# Altium PCB TE0890.PcbDoc (part 2 of 2) (continued)
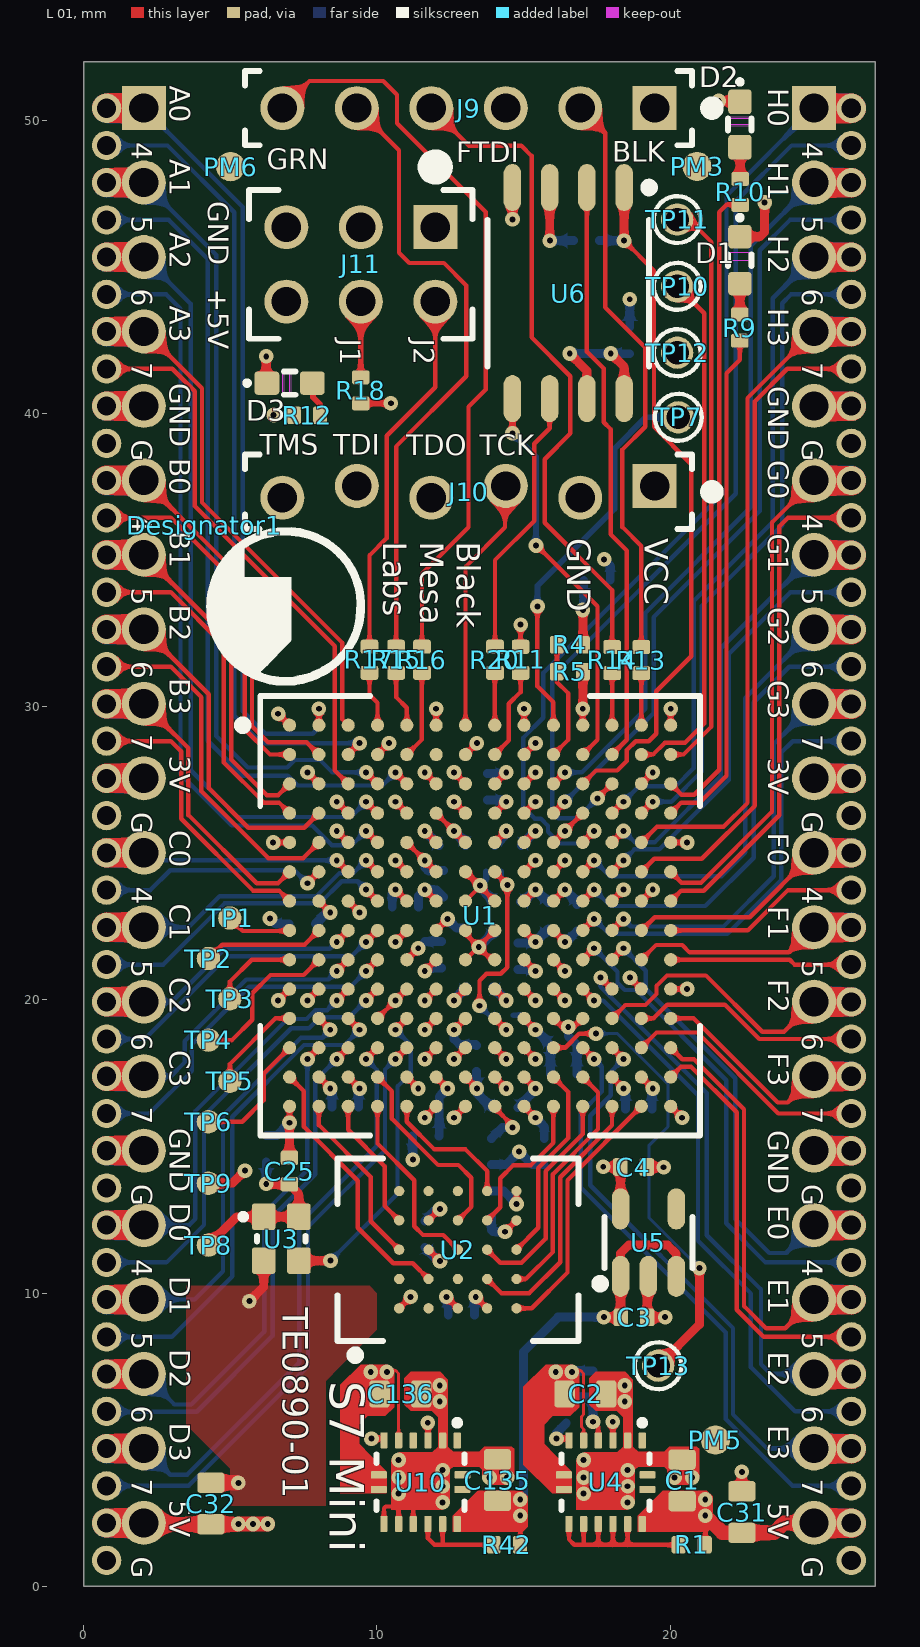
[diagram p0: L 01 view]
## Nets (pads, with @x,y where several pads share a name; then routed paths per layer and width w, separated by ;. In a path a pad name is that pad's centre, name@x,y a point inside that pad or via, vN(x,y) a via of type N, cw(c..) or ccw(c..) an arc to the next point about the centre after c; other vN are vias at no path point) (continued)
  L 06 w0.15: J3.36@0.78,5.965 0.795,5.95 3.85,5.95 6.45,8.55 6.45,12.6 7.9,14.05 7.9,17.25 v1(8.63,17.98)
PORT_D7: J3.38 U1.M5 | length 20.9
  L 01 w0.15: v1@10.6,17.95 v1(10.63,17.98) U1.M5@11.02,18.37
  L 06 w0.15: J3.38@0.78,3.425 3.575,3.425 7.65,7.5 7.65,12.25 10.275,14.875 10.275,17.625 v1(10.63,17.98)
PORT_E0: J2.16 J4.31 U1.J12 | length 17.5
  L 01 w0.15: U1.J12@18.02,21.37 v1(18.41,21.76) v1@18.44,21.79
  L 01 w1: J2.16@24.91,12.31 J4.31@26.18,12.31
  L 06 w0.15: v1(18.41,21.76) 19.173,20.997 19.173,20.377 22.225,17.325 22.225,12.525 23.385,11.365 23.955,11.365 J2.16@24.91,12.32
  L 06 w1: J2.16@24.91,12.32 J4.31@26.18,12.32
PORT_E1: J2.17 J4.33 U1.M14 | length 15.7
  L 01 w0.15: U1.M14@20.02,18.37 20.418,17.972 20.816,17.972 22.519,16.269 22.519,9.556 23.275,8.8 23.93,8.8 J2.17@24.91,9.78
  L 01 w1: J2.17@24.91,9.77 J4.33@26.18,9.77
  L 06 w1: J2.17@24.91,9.78 J4.33@26.18,9.78
PORT_E2: J2.18 J4.35 U1.K12 | length 20.5
  L 01 w0.15: v1@17.6,20.79 v1(17.63,20.76) U1.K12@18.02,20.37
  L 01 w1: J2.18@24.91,7.23 J4.35@26.18,7.23
  L 06 w0.15: v1(17.63,20.76) 17.63,20.445 21.25,16.825 21.25,11.975 23.1,10.125 23.1,7.575 23.435,7.24 J2.18@24.91,7.24
  L 06 w1: J2.18@24.91,7.24 J4.35@26.18,7.24
PORT_E3: J2.19 J4.37 U1.M12 | length 21
  L 01 w0.15: U1.M12@18.02,18.37 v1(18.41,17.98) v1@18.44,17.95
  L 01 w1: J2.19@24.91,4.69 J4.37@26.18,4.69
  L 06 w0.15: v1(18.41,17.98) 17.974,17.544 17.974,16.749 17.274,16.049 17.274,13.678 22.145,8.806 22.145,5.862 23.307,4.7 J2.19@24.91,4.7
  L 06 w1: J2.19@24.91,4.7 J4.37@26.18,4.7
PORT_E4: J4.32 U1.J11 | length 16.9
  L 01 w0.15: U1.J11@17.02,21.37 v1(17.41,21.76) v1@17.44,21.79
  L 06 w0.15: v1(17.41,21.76) 18.206,20.964 18.206,20.584 18.454,20.336 18.839,20.336 21.919,17.256 21.919,12.381 23.255,11.045 J4.32@26.18,11.045
PORT_E5: J4.34 U1.N14 | length 14.1
  L 01 w0.15: U1.N14@20.02,17.37 20.373,17.723 20.713,17.723 22.27,16.166 22.27,9.43 23.195,8.505 J4.34@26.18,8.505
PORT_E6: J4.36 U1.K11 | length 19.5
  L 01 w0.15: U1.K11@17.02,20.37 v1(17.41,19.98) v1@17.44,19.95
  L 06 w0.15: v1(17.41,19.98) 17.72,19.98 20.952,16.748 20.952,11.786 22.756,9.982 22.756,7.472 24.263,5.965 J4.36@26.18,5.965
PORT_E7: J4.38 U1.M11 | length 20.6
  L 01 w0.15: U1.M11@17.02,18.37 v1(17.41,17.98) v1@17.44,17.95
  L 06 w0.15: v1(17.41,17.98) 17.675,17.715 17.675,16.875 16.95,16.15 16.95,13.6 21.896,8.654 21.896,5.704 24.175,3.425 J4.38@26.18,3.425
PORT_F0: J2.11 J4.21 U1.H13 | length 9.5
  L 01 w0.15: U1.H13@19.02,22.37 19.473,22.823 22.713,22.823 J2.11@24.91,25.02
  L 01 w1: J2.11@24.91,25.01 J4.21@26.18,25.01
  L 06 w1: J2.11@24.91,25.02 J4.21@26.18,25.02
PORT_F1: J2.12 J4.23 U1.J13 | length 9.1
  L 01 w0.15: U1.J13@19.02,21.37 19.522,21.872 20.412,21.872 20.665,21.619 24.049,21.619 J2.12@24.91,22.48
  L 01 w1: J2.12@24.91,22.47 J4.23@26.18,22.47
  L 06 w1: J2.12@24.91,22.48 J4.23@26.18,22.48
PORT_F2: J2.13 J4.25 U1.L12 | length 11.4
  L 01 w0.15: U1.L12@18.02,19.37 18.475,19.825 19.161,19.825 19.537,20.201 19.537,20.476 19.894,20.833 21.222,20.833 23.142,18.914 23.884,18.914 J2.13@24.91,19.94
  L 01 w1: J2.13@24.91,19.93 J4.25@26.18,19.93
  L 06 w1: J2.13@24.91,19.94 J4.25@26.18,19.94
PORT_F3: J2.14 J4.27 U1.L14 | length 9
  L 01 w0.15: U1.L14@20.02,19.37 20.799,19.37 23.669,16.5 24.01,16.5 J2.14@24.91,17.4
  L 01 w1: J2.14@24.91,17.39 J4.27@26.18,17.39
  L 06 w1: J2.14@24.91,17.4 J4.27@26.18,17.4
PORT_F4: J4.22 U1.H14 | length 6.7
  L 01 w0.15: U1.H14@20.02,22.37 22.645,22.37 24.02,23.745 J4.22@26.18,23.745
PORT_F5: J4.24 U1.J14 | length 6.2
  L 01 w0.15: U1.J14@20.02,21.37 24.08,21.37 24.245,21.205 J4.24@26.18,21.205
PORT_F6: J4.26 U1.L13 | length 7.8
  L 01 w0.15: U1.L13@19.02,19.37 19.438,19.37 19.907,19.839 21.864,19.839 23.038,18.665 J4.26@26.18,18.665
PORT_F7: J4.28 U1.M13 | length 8.5
  L 01 w0.15: U1.M13@19.02,18.37 19.536,18.886 20.931,18.886 23.692,16.125 J4.28@26.18,16.125
PORT_G0: J2.6 J4.11 U1.F14 | length 19
  L 01 w0.15: U1.F14@20.02,24.37 20.39,24 21.055,24 23.477,26.423 23.477,36.287 J2.6@24.91,37.72
  L 01 w1: J2.6@24.91,37.71 J4.11@26.18,37.71
  L 06 w1: J2.6@24.91,37.72 J4.11@26.18,37.72
PORT_G1: J2.7 J4.13 U1.E12 | length 16.4
  L 01 w0.15: U1.E12@18.02,25.37 v1(18.41,25.76) v1@18.44,25.79
  L 01 w1: J2.7@24.91,35.17 J4.13@26.18,35.17
  L 06 w0.15: v1(18.41,25.76) 18.788,25.382 19.482,25.382 21.725,27.625 21.725,31.995 J2.7@24.91,35.18
  L 06 w1: J2.7@24.91,35.18 J4.13@26.18,35.18
PORT_G2: J2.8 J4.15 U1.F11 | length 17.4
  L 01 w0.15: U1.F11@17.02,24.37 v1(17.41,24.76) v1@17.44,24.79
  L 01 w1: J2.8@24.91,32.63 J4.15@26.18,32.63
  L 06 w0.15: v1(17.41,24.76) 17.949,24.221 21.754,24.221 22.566,25.032 22.566,30.296 J2.8@24.91,32.64
  L 06 w1: J2.8@24.91,32.64 J4.15@26.18,32.64
PORT_G3: J2.9 J4.17 U1.H12 | length 15.5
  L 01 w0.15: U1.H12@18.02,22.37 v1(18.41,22.76) v1@18.44,22.79
  L 01 w1: J2.9@24.91,30.09 J4.17@26.18,30.09
  L 06 w0.15: v1(18.41,22.76) 18.667,22.503 21.822,22.503 23.537,24.218 23.537,28.727 J2.9@24.91,30.1
  L 06 w1: J2.9@24.91,30.1 J4.17@26.18,30.1
PORT_G4: J4.12 U1.G14 | length 17.3
  L 01 w0.15: U1.G14@20.02,23.37 20.375,23.725 21.15,23.725 23.726,26.301 23.726,36.151 24.02,36.445 J4.12@26.18,36.445
PORT_G5: J4.14 U1.F12 | length 14.7
  L 01 w0.15: U1.F12@18.02,24.37 v1(18.41,24.76) v1@18.44,24.79
  L 06 w0.15: v1(18.41,24.76) 18.783,25.133 19.633,25.133 22,27.5 22,31.8 24.105,33.905 J4.14@26.18,33.905
PORT_G6: J4.16 U1.G11 | length 16.1
  L 01 w0.15: U1.G11@17.02,23.37 v1(17.41,23.76) v1@17.44,23.79
  L 06 w0.15: v1(17.41,23.76) 17.968,23.202 21.202,23.202 22.85,24.85 22.85,30.15 24.065,31.365 J4.16@26.18,31.365
PORT_G7: J4.18 U1.H11 | length 14.8
  L 01 w0.15: U1.H11@17.02,22.37 v1(17.41,22.76) v1@17.44,22.79
  L 06 w0.15: v1(17.41,22.76) 17.916,22.254 21.954,22.254 23.786,24.086 23.786,28.429 24.183,28.825 J4.18@26.18,28.825
PORT_H0: J2.1 J4.1 U1.E11 | length 35.6
  L 01 w0.15: U1.E11@17.02,25.37 v1(17.41,25.76) v1@17.44,25.79
  L 01 w1: J2.1@24.91,50.41 J4.1@26.18,50.41
  L 02 w0.5: J2.1@24.91,50.42 24.915,50.415 J4.1@26.18,50.415
  L 06 w0.15: v1(17.41,25.76) 16.986,25.336 16.234,25.336 15.834,25.736 15.834,25.936 15.586,26.184 15.386,26.184 14.986,26.584 14.986,28.936 15.675,29.625 15.675,31.153 21.922,37.401 21.922,47.432 J2.1@24.91,50.42
  L 06 w1: J2.1@24.91,50.42 J4.1@26.18,50.42
PORT_H1: J2.2 J4.3 U1.C10 | length 27.1
  L 01 w0.15: U1.C10@16.02,27.37 v1(16.41,27.76) v1@16.44,27.79
  L 01 w1: J2.2@24.91,47.87 J4.3@26.18,47.87
  L 06 w0.15: v1(16.41,27.76) 16.985,27.76 19.15,29.925 19.15,33.2 22.75,36.8 22.75,45.72 J2.2@24.91,47.88
  L 06 w1: J2.2@24.91,47.88 J4.3@26.18,47.88
PORT_H2: J2.3 J4.5 U1.D12 | length 25.1
  L 01 w0.15: U1.D12@18.02,26.37 v1(18.41,26.76) v1@18.44,26.79
  L 01 w1: J2.3@24.91,45.33 J4.5@26.18,45.33
  L 06 w0.15: v1(18.41,26.76) 18.932,27.282 20.182,27.282 20.8,27.9 20.8,33.6 23.5,36.3 23.5,43.93 J2.3@24.91,45.34
  L 06 w1: J2.3@24.91,45.34 J4.5@26.18,45.34
PORT_H3: J2.4 J4.7 U1.E13 | length 23.7
  L 01 w0.15: U1.E13@19.02,25.37 19.552,25.902 21.821,25.902 22.638,26.719 22.638,40.528 J2.4@24.91,42.8
  L 01 w1: J2.4@24.91,42.79 J4.7@26.18,42.79
  L 06 w1: J2.4@24.91,42.8 J4.7@26.18,42.8
PORT_H4: J4.2 U1.C12 | length 30.8
  L 01 w0.15: v1(17.525,26.875) U1.C12@18.02,27.37
  L 06 w0.15: v1(17.525,26.875) 16.841,26.191 16.183,26.191 15.986,26.389 15.986,31.011 22.243,37.268 22.243,47.243 24.145,49.145 J4.2@26.18,49.145
PORT_H5: J4.4 U1.D10 | length 25.7
  L 01 w0.15: U1.D10@16.02,26.37 v1(16.41,26.76) v1@16.44,26.79
  L 06 w0.15: v1(16.41,26.76) 19.44,29.79 19.44,33.058 23.059,36.676 23.059,45.574 24.09,46.605 J4.4@26.18,46.605
PORT_H6: J4.6 U1.D13 | length 22.3
  L 01 w0.15: U1.D13@19.02,26.37 v1(19.41,26.76) v1@19.44,26.79
  L 06 w0.15: v1(19.41,26.76) 20.046,26.76 21.075,27.789 21.075,33.437 23.825,36.187 23.825,43.766 24.124,44.065 J4.6@26.18,44.065
PORT_H7: J4.8 U1.F13 | length 22.3
  L 01 w0.15: U1.F13@19.02,24.37 19.463,24.813 21.084,24.813 22.887,26.616 22.887,40.412 24,41.525 J4.8@26.18,41.525
PORT_TP0: TP1.1 U1.H1 | length 2.2
  L 01 w0.15: TP1.1@4.984,22.793 5.426,22.351 7.001,22.351 U1.H1@7.02,22.37
PORT_TP1: TP2.1 U1.H2 | length 4.2
  L 01 w0.15: TP2.1@4.253,21.412 4.724,21.883 7.533,21.883 U1.H2@8.02,22.37
PORT_TP2: TP3.1 U1.J1 | length 2.9
  L 01 w0.15: TP3.1@4.984,20.037 4.984,20.627 5.727,21.37 U1.J1@7.02,21.37
PORT_TP3: TP4.1 U1.J2 | length 5.4
  L 01 w0.15: TP4.1@4.253,18.629 5.054,18.629 5.75,19.325 5.75,20.23 6.37,20.85 7.5,20.85 U1.J2@8.02,21.37
PORT_TP4: TP5.1 U1.L1 | length 3.3
  L 01 w0.15: TP5.1@4.984,17.224 4.984,17.814 6.54,19.37 U1.L1@7.02,19.37
PORT_TP5: TP6.1 U1.M1 | length 4.3
  L 01 w0.15: TP6.1@4.253,15.846 5.403,15.846 6.134,16.578 6.134,17.484 U1.M1@7.02,18.37
PORT_TP6: TP10.1 U1.B13 | length 17.9
  L 01 w0.15: U1.B13@19.02,28.37 19.42,28.37 19.822,28.772 20.507,28.772 21.161,29.427 21.161,43.421 TP10.1@20.242,44.339
PORT_TP7: TP11.1 U1.B14 | length 19.4
  L 01 w0.15: U1.B14@20.02,28.37 20.456,28.37 21.41,29.324 21.41,45.849 TP11.1@20.642,46.616
RST_L: TP7.1 U1.A10 | length 13.4
  L 01 w0.15: v1(15.475,33.425) 15.475,30.7 16.02,30.155 U1.A10@16.02,29.37
  L 06 w0.2: v1(15.475,33.425) 15.475,34.125 18.1,36.75 18.1,38.8 19.172,39.872 TP7.1@20.278,39.872
RWDS: U1.P4 U2.C3 | length 6.4
  L 01 w0.15: U1.P4@10.02,16.37 10.02,15.102 11.27,13.852 11.27,12.28 11.57,11.98 12.26,11.98 U2.C3@12.76,11.48
SPI_CS: R19.2 U1.C11 U6.1 | length 24.3
  L 01 w0.15: U1.C11@17.02,27.37 17.475,27.825 18.2,27.825 18.525,28.15 18.525,28.523 18.827,28.825 19.275,28.825 19.525,29.075 19.525,30.525 20.725,31.725 20.725,38.275 19.45,39.55 19.45,44.875 v1(18.425,45.9)
  L 01 w0.3: v1(18.425,45.9) 18.432,45.907 U6.1@18.432,47.71
  L 06 w0.3: R19.2@17.595,45.9 v1(18.425,45.9)
SPI_MISO: U1.B12 U6.2 | length 20.1
  L 01 w0.15: U6.2@17.162,47.71 17.162,42.113 17.738,41.537 17.738,39.702 17.97,39.47 17.97,35.88 18.524,35.326 18.524,28.874 U1.B12@18.02,28.37
SPI_MOSI: U1.B11 U6.5 | length 13.6
  L 01 w0.15: v1(15.425,35.5) 15.45,35.5 17.525,33.425 17.525,28.875 U1.B11@17.02,28.37
  L 01 w0.2: U6.5@14.622,40.51 14.622,39.328 v1(14.625,39.325)
  L 06 w0.2: v1(14.625,39.325) 15.425,38.525 v1(15.425,35.5)
TCK: J10.3 U1.A7 | length 8.7
  L 01 w0.15: U1.A7@13.02,29.37 13.02,34.77 14.37,36.12 J10.3@14.37,37.53
TDI: J10.5 U1.P7 | length 33.7
  L 01 w0.15: v1@12.6,15.95 v1(12.63,15.98) U1.P7@13.02,16.37
  L 03 w0.15: J10.5@9.315,37.53 8.27,38.575 6.2,38.575 5.129,37.504 5.129,18.371 7.991,15.509 12.159,15.509 v1(12.63,15.98)
TDO: J10.4 U1.P6 | length 35.1
  L 01 w0.15: v1@11.6,15.95 v1(11.63,15.98) U1.P6@12.02,16.37
  L 03 w0.15: v1(11.63,15.98) 7.97,15.98 5.425,18.525 5.425,37.225 6.45,38.25 7.35,38.25 8,37.6 8,36.875 8.7,36.175 10.9,36.175 J10.4@11.855,37.13
TMS: J10.6 U1.M6 | length 27
  L 01 w0.15: v1(11.63,17.98) U1.M6@12.02,18.37
  L 03 w0.15: J10.6@6.775,37.13 5.75,36.105 5.75,18.625 8.1,16.275 9.925,16.275 v1(11.63,17.98)
pads on no net: PM1.0 PM2.0 PM3.0 PM4.0 PM5.0 PM6.0 U1.B6 U2.A2 U2.A5 U2.B1 U2.B5 U2.C2 U2.C5 U4.1 U4.15 U4.16 U5.4 U10.1 U10.4 U10.15 U10.16

## Polygon pours and split planes (outlines as drawn)
GND on L 02 "GND_L02_P065" (solid, remove dead copper, pour order 65): 0.25,51.75 0.25,0.25 26.75,0.25 26.75,51.75
1.0V on L 03 "1.0V_L03_P063" (solid, remove dead copper, pour order 63): 21,7 18.75,4.75 10.4,4.75 10.4,12.35 10.4,27.25 15.75,27.25 15.75,20.25 14.85,19.35 14.85,18.775 16.818,16.807 16.818,14.157 21,9.975
1.8V on L 03 "L05 Pwr-No Net" (solid, pour order 71): 16.05,27.25 16.05,20.125 15.15,19.225 15.15,18.9 17.1,16.95 17.1,14.301 21,10.401 21,27.25
5V on L 03 "L05 Pwr-No Net" (solid, pour order 75): 0.25,3.75 0.25,0.25 2.5,0.25 26.75,0.25 26.75,1.75 26.75,3.5 23.75,3.5 23.75,51.75 3.25,51.75 3.432,51.568 3.432,39.25 8.5,39.25 10.25,41 11.5,41 20.911,41 21.161,40.75 21.41,40.501 21.41,38.5 21.41,6.66 20.25,5.5 19,4.25 0.75,4.25
GND on L 03 "L05 Pwr-No Net" (solid, pour order 77): 21,27.75 21,40.25 20.75,40.5 19.75,40.5 14,40.5 13.5,40 13.5,38.5 13.5,36.575 9.25,32.325 9.25,27.75
GND on L 03 "L05 Pwr-No Net" (solid, pour order 79): 10,4.75 10,15 2.25,15 2.25,14 3,13.25 3.25,13 3.25,11.25 3.25,4.75
GND on L 05 "GND_L05_P067" (solid, remove dead copper, pour order 67): 0.25,51.75 0.25,0.25 26.75,0.25 26.75,51.75
3.3V on L 04 "3.3V_L04_P069" (solid, remove dead copper, pour order 69): 0.25,51.75 0.25,0.25 26.75,0.25 26.75,51.75
GND on L 01 "L05 Pwr-No Net" (solid, pour order 81): 3.5,10.25 9.75,10.25 10,10 10,8.75 9.25,8 8.75,7.5 8.25,7 8.25,6.25 8.25,2.75 5,2.75 5,4 3.5,5.5 3.5,8.25
GND on L 06 "L05 Pwr-No Net" (solid, pour order 83): 3.5,0.75 3.5,2.5 5,4 5.75,4.75 9.5,8.5 12.75,8.5 14,8.5 14.25,8.25 14.25,6.75 14.25,2 14.5,1.75 15.25,1.75 15.5,1.75 15.75,2 15.75,3.25 15.75,3.75 16.25,4.25 17,5 19,5 22,5 23.25,3.75 23.25,2.75 22.25,2.75 21.75,2.25 21.5,2 21.5,1.25 21.5,0.75
GND on L 06 "GND_L06_P085" (solid, pour order 85): 6,49.15 6,31.5 6.5,31 6.78,30.72 8.25,30.72 9.03,30.72 10,29.75 10.15,29.6 10.15,28.5 14,28.5 14.02,28.52 14.02,29.5 14.02,31.02 14.5,31.5 14.5,33.5 14.5,35.5 13.5,36.5 13.25,36.75 13.25,38.25 13.25,39.75 15,41.5 15.75,42.25 15.75,44.5 15.75,45.026 15.276,45.5 15.25,45.526 15.25,49.15
5V on L 06 "5V_L06_P087" (solid, pour order 87): 14.51,3.1 14.5,3.09 14.5,2.3 14.5,2.1 14.6,2 15.3,2 15.4,2.1 15.4,3.9 15.7,4.2 15.7,4.8 15.7,7.53 16.1,7.93 16.27,8.1 17.4,8.1 17.6,8.1 18.1,8.6 18.1,9.3 18.1,9.32 17.8,9.62 17.72,9.7 16.526,9.7 16,9.7 14.9,8.6 14.6,8.3 14.6,4.475 14.775,4.3 14.775,3.62 14.775,3.395 14.5,3.12

## Other copper
L 01:
  region net 1.0V: 16.65,3.292 16.65,3.192 16.623,3.165 16.471,3.165 15.978,3.165 14.999,4.145 14.999,6.808 15.75,7.56 16.674,7.56 16.9,7.334 16.9,6.109 16.6,5.809 16,5.809 15.7,5.509 15.7,4.859 16.1,4.459 16.65,3.909
  region net 5V: 18.9,1.859 18.9,2.409 19.75,3.259 21.254,3.259 21.45,3.063 21.45,2.023 21.286,1.859
  region net GND: 21,4.681 20.916,4.766 19.976,4.766 19.798,4.588 18.909,4.588 18.731,4.766 18.731,7.052 18.474,7.309 17.465,7.309 17.25,7.094 17.25,6.196 17.461,5.985 18.173,5.985 18.401,5.756 18.401,4.766 18.198,4.562 17.053,4.562 16.8,4.309 16.8,2.609 18.55,2.609 18.8,2.859 18.8,3.971 18.909,4.08 19.798,4.08 19.9,3.978 19.9,3.709 20.15,3.459 20.75,3.459 21,3.709
  pour cut-out: 21.2,3.309 19.7,3.309 18.9,2.509 16.4,2.509 16.35,2.559 16.35,7.009 16.9,7.559 18.65,7.559 18.95,7.259 18.95,5.259 19.266,4.943 20.966,4.943 21.2,4.709
  pour cut-out: 14.89,3.309 13.39,3.309 12.59,2.509 10.09,2.509 10.04,2.559 10.04,7.009 10.59,7.559 12.34,7.559 12.64,7.259 12.64,5.259 12.956,4.943 14.656,4.943 14.89,4.709
  region net GND: 14.69,4.681 14.606,4.766 13.666,4.766 13.488,4.588 12.599,4.588 12.421,4.766 12.421,7.052 12.164,7.309 11.155,7.309 10.94,7.094 10.94,6.196 11.151,5.985 11.863,5.985 12.091,5.756 12.091,4.766 11.888,4.562 10.743,4.562 10.49,4.309 10.49,2.609 12.24,2.609 12.49,2.859 12.49,3.971 12.599,4.08 13.488,4.08 13.59,3.978 13.59,3.709 13.84,3.459 14.44,3.459 14.69,3.709
  region net 5V: 12.59,1.859 12.59,2.409 13.44,3.259 14.944,3.259 15.14,3.063 15.14,2.023 14.976,1.859
  region net 3.3V: 10.34,3.292 10.34,3.192 10.313,3.165 10.161,3.165 8.746,3.165 8.746,6.866 9.44,7.56 10.364,7.56 10.59,7.334 10.59,6.109 10.29,5.809 9.69,5.809 9.39,5.509 9.39,4.859 9.79,4.459 10.34,3.909

## Silkscreen, mask and mechanical layers (free items; w line width, h text height)
Top Overlay:
  text "A0" at 2.93,51.18 h0.7 r270
  text "H0" at 23.34,51.09 h0.7 r270
  text "4" at 1.64,49.255 h0.7 r270
  text "4" at 24.5,49.25 h0.7 r270
  text "A1" at 2.93,48.68 h0.7 r270
  text "FTDI" at 12.7,48.575 h0.7
  text "BLK" at 18.027,48.59 h0.7
  text "H1" at 23.34,48.59 h0.7 r270
  text "GRN" at 6.25,48.33 h0.7
  text "GND" at 4.25,47.25 h0.7 r270
  text "5" at 1.64,46.755 h0.7 r270
  text "5" at 24.5,46.75 h0.7 r270
  text "A2" at 2.93,46.18 h0.7 r270
  text "H2" at 23.34,46.09 h0.7 r270
  text "6" at 1.64,44.255 h0.7 r270
  text "+5V" at 4.25,44.25 h0.7 r270
  text "6" at 24.5,44.25 h0.7 r270
  text "A3" at 2.93,43.68 h0.7 r270
  text "H3" at 23.34,43.59 h0.7 r270
  text "J1" at 8.75,42.55 h0.7 r270
  text "J2" at 11.25,42.55 h0.7 r270
  text "7" at 1.64,41.755 h0.7 r270
  text "7" at 24.5,41.75 h0.7 r270
  text "GND" at 2.93,41.03 h0.7 r270
  text "GND" at 23.34,40.94 h0.7 r270
  text "G" at 1.64,39.105 h0.7 r270
  text "G" at 24.5,39.1 h0.7 r270
  text "TMS" at 6.005,38.6 h0.7
  text "TDI" at 8.505,38.6 h0.7
  text "TDO" at 11,38.58 h0.7
  text "TCK" at 13.5,38.58 h0.7
  text "B0" at 2.93,38.48 h0.7 r270
  text "G0" at 23.34,38.4 h0.7 r270
  text "4" at 1.64,36.555 h0.7 r270
  text "4" at 24.5,36.56 h0.7 r270
  text "B1" at 2.93,35.98 h0.7 r270
  text "G1" at 23.34,35.9 h0.7 r270
  text "GND" at 16.5,35.75 h0.8 r270
  text "VCC" at 19.138,35.75 h0.8 r270
  text "Labs" at 10.223,35.634 h0.8 r270
  text "Mesa" at 11.473,35.634 h0.8 r270
  text "Black" at 12.723,35.634 h0.8 r270
  text "5" at 1.64,34.055 h0.7 r270
  text "5" at 24.5,34.06 h0.7 r270
  text "B2" at 2.93,33.48 h0.7 r270
  text "G2" at 23.34,33.4 h0.7 r270
  text "6" at 24.5,31.56 h0.7 r270
  text "6" at 1.64,31.555 h0.7 r270
  text "B3" at 2.93,30.98 h0.7 r270
  text "G3" at 23.34,30.9 h0.7 r270
  text "7" at 1.64,29.055 h0.7 r270
  text "7" at 24.5,29.06 h0.7 r270
  text "3V" at 2.93,28.33 h0.7 r270
  text "3V" at 23.34,28.25 h0.7 r270
  text "G" at 1.64,26.405 h0.7 r270
  text "G" at 24.5,26.41 h0.7 r270
  text "C0" at 2.93,25.78 h0.7 r270
  text "F0" at 23.34,25.7 h0.7 r270
  text "4" at 1.64,23.86 h0.7 r270
  text "4" at 24.5,23.86 h0.7 r270
  text "C1" at 2.93,23.28 h0.7 r270
  text "F1" at 23.34,23.2 h0.7 r270
  text "5" at 1.64,21.36 h0.7 r270
  text "5" at 24.5,21.36 h0.7 r270
  text "C2" at 2.93,20.78 h0.7 r270
  text "F2" at 23.34,20.7 h0.7 r270
  text "6" at 1.64,18.86 h0.7 r270
  text "6" at 24.5,18.86 h0.7 r270
  text "C3" at 2.93,18.28 h0.7 r270
  text "F3" at 23.34,18.2 h0.7 r270
  text "7" at 1.64,16.36 h0.7 r270
  text "7" at 24.5,16.36 h0.7 r270
  text "GND" at 2.93,15.63 h0.7 r270
  text "GND" at 23.34,15.55 h0.7 r270
  text "G" at 1.64,13.71 h0.7 r270
  text "G" at 24.5,13.71 h0.7 r270
  text "D0" at 2.93,13.08 h0.7 r270
  text "E0" at 23.34,12.99 h0.7 r270
  text "4" at 1.64,11.16 h0.7 r270
  text "4" at 24.5,11.16 h0.7 r270
  text "D1" at 2.93,10.58 h0.7 r270
  text "E1" at 23.34,10.49 h0.7 r270
  text "TE0890-01" at 6.5,9.5 h1.5 r270
  text "5" at 1.64,8.66 h0.7 r270
  text "5" at 24.5,8.66 h0.7 r270
  text "D2" at 2.93,8.08 h0.7 r270
  text "E2" at 23.34,7.99 h0.7 r270
  text "S7 Mini" at 8,7 h2 r270
  text "6" at 1.64,6.16 h0.7 r270
  text "6" at 24.5,6.16 h0.7 r270
  text "D3" at 2.93,5.58 h0.7 r270
  text "E3" at 23.34,5.49 h0.7 r270
  text "7" at 1.64,3.66 h0.7 r270
  text "7" at 24.5,3.66 h0.7 r270
  text "5V" at 2.93,2.93 h0.7 r270
  text "5V" at 23.34,2.84 h0.7 r270
  text "G" at 1.64,1.01 h0.7 r270
  text "G" at 24.5,1.01 h0.7 r270
Bottom Overlay:
  text "OSH" at 5.599,30.695 h1.52 r270
  text "C" at 4.595,7.209 h10 r270
  text "W" at 5.324,6.17 h10 r270
Top Solder:
  lines w1: 0.78,2.155 2.05,2.155 ; 0.78,4.695 2.05,4.695 ; 0.78,7.235 2.05,7.235 ; 0.78,9.775 2.05,9.775 ; 0.78,12.315 2.05,12.315 ; 0.78,14.855 2.05,14.855 ; 0.78,17.395 2.05,17.395 ; 0.78,19.935 2.05,19.935 ; 0.78,22.475 2.05,22.475 ; 0.78,25.015 2.05,25.015 ; 0.78,27.555 2.05,27.555 ; 0.78,30.095 2.05,30.095 ; 0.78,32.635 2.05,32.635 ; 0.78,35.175 2.05,35.175 ; 0.78,37.715 2.05,37.715 ; 0.78,40.255 2.05,40.255 ; 0.78,42.795 2.05,42.795 ; 0.78,45.335 2.05,45.335 ; 0.78,47.875 2.05,47.875 ; 0.78,50.415 2.05,50.415 ; 24.91,2.155 26.18,2.155 ; 24.91,4.695 26.18,4.695 ; 24.91,7.235 26.18,7.235 ; 24.91,9.775 26.18,9.775 ; 24.91,12.315 26.18,12.315 ; 24.91,14.855 26.18,14.855 ; 24.91,17.395 26.18,17.395 ; 24.91,19.935 26.18,19.935 ; 24.91,22.475 26.18,22.475 ; 24.91,25.015 26.18,25.015 ; 24.91,27.555 26.18,27.555 ; 24.91,30.095 26.18,30.095 ; 24.91,32.635 26.18,32.635 ; 24.91,35.175 26.18,35.175 ; 24.91,37.715 26.18,37.715 ; 24.91,40.255 26.18,40.255 ; 24.91,42.795 26.18,42.795 ; 24.91,45.335 26.18,45.335 ; 24.91,47.875 26.18,47.875 ; 24.91,50.415 26.18,50.415
Bottom Solder:
  lines w1: 0.78,2.16 2.05,2.16 ; 0.78,4.7 2.05,4.7 ; 0.78,7.24 2.05,7.24 ; 0.78,9.78 2.05,9.78 ; 0.78,12.32 2.05,12.32 ; 0.78,14.86 2.05,14.86 ; 0.78,17.4 2.05,17.4 ; 0.78,19.94 2.05,19.94 ; 0.78,22.48 2.05,22.48 ; 0.78,25.02 2.05,25.02 ; 0.78,27.56 2.05,27.56 ; 0.78,30.1 2.05,30.1 ; 0.78,32.64 2.05,32.64 ; 0.78,35.18 2.05,35.18 ; 0.78,37.72 2.05,37.72 ; 0.78,40.26 2.05,40.26 ; 0.78,42.8 2.05,42.8 ; 0.78,45.34 2.05,45.34 ; 0.78,47.88 2.05,47.88 ; 0.78,50.42 2.05,50.42 ; 24.91,2.15 26.18,2.15 ; 24.91,4.69 26.18,4.69 ; 24.91,7.23 26.18,7.23 ; 24.91,9.77 26.18,9.77 ; 24.91,12.31 26.18,12.31 ; 24.91,14.85 26.18,14.85 ; 24.91,17.39 26.18,17.39 ; 24.91,19.93 26.18,19.93 ; 24.91,22.47 26.18,22.47 ; 24.91,25.01 26.18,25.01 ; 24.91,27.55 26.18,27.55 ; 24.91,30.09 26.18,30.09 ; 24.91,32.63 26.18,32.63 ; 24.91,35.17 26.18,35.17 ; 24.91,37.71 26.18,37.71 ; 24.91,40.25 26.18,40.25 ; 24.91,42.79 26.18,42.79 ; 24.91,45.33 26.18,45.33 ; 24.91,47.87 26.18,47.87 ; 24.91,50.41 26.18,50.41
Dim-Top-GM1:
  text "(mm)" at 9.944,59.563 h2
Dim-Bot-GM2:
  text "(mm)" at 16.275,59.588 h2
Fab-Notes-GM5:
  text "No tabs on marked positions" at -7.747,-3.861 h1.52
PCB-Outline-GM6:
  the board outline again, w0.1
Dim-Top2-GM7:
  text "(mil)" at 9.278,59.512 h2
Dim-Bot2-GM8:
  text "(mil)" at 16.942,59.614 h2
Assembly Top-GM13:
  lines w0.1: 17.081,30.943 17.316,30.709 19.609,30.709
  text "'.ProjectName'-'.Revision'-'.VariantName'" at 7.722,67.335 h1.5
  text "Variant name:" at -8.458,67.264 h1.5
  text "Top View" at 5.613,63.551 h2
Assembly Bot-GM14:
  lines w0.1: 10.82,21.895 11.379,21.895 12.835,23.35 13.95,23.35 ; 11.151,25.461 11.872,24.74 12.878,24.74 13.081,24.536 13.665,24.536 ; 16.1,23.375 16.449,23.724 17.831,23.724
  text "'.ProjectName'-'.Revision'-'.VariantName'" at 20.168,67.335 h1.5
  text "Variant name:" at 36.168,67.264 h1.5
  text "Bottom View" at 23.274,63.218 h2

## Dimensions
2.05,27.29 to 24.91,27.29 on Dim-Bot-GM2
25.91,26.29 to 0,0 on Dim-Bot-GM2
0,0 to 2.05,27.29 on Dim-Bot-GM2
27,0 to 24.91,27.29 on Dim-Bot-GM2
0.78,50.415 to 2.05,50.42 on Dim-Bot-GM2
0,52 to 27,52 on Dim-Top-GM1
0,0 to 0,52 on Dim-Top-GM1
0,52 to 15.125,37.33 on Dim-Top-GM1
0,52 to 10.45,45.09 on Dim-Top-GM1
15.125,50.42 to 0,52 on Dim-Top-GM1
0,52 to 9.45,44.07 on Dim-Top-GM1
0,52 to 13.125,36.38 on Dim-Top-GM1
0.78,50.415 to 2.05,50.42 on Dim-Bot2-GM8
27,0 to 24.91,27.29 on Dim-Bot2-GM8
0,0 to 2.05,27.29 on Dim-Bot2-GM8
25.91,26.29 to 0,0 on Dim-Bot2-GM8
2.05,27.29 to 24.91,27.29 on Dim-Bot2-GM8
0,52 to 13.125,36.38 on Dim-Top2-GM7
0,52 to 9.45,44.07 on Dim-Top2-GM7
15.125,50.42 to 0,52 on Dim-Top2-GM7
0,52 to 10.45,45.09 on Dim-Top2-GM7
0,52 to 15.125,37.33 on Dim-Top2-GM7
0,0 to 0,52 on Dim-Top2-GM7
0,52 to 27,52 on Dim-Top2-GM7

## Text inside footprints (layer, text, board x,y; h text height)
D1: Assembly Top-GM13 "K" at 22.631,46.253 h0.5 r90; Assembly Top-GM13 "A" at 22.682,44.196 h0.5 r90
D2: Assembly Top-GM13 "A" at 22.581,48.692 h0.5 r90; Assembly Top-GM13 "K" at 22.657,50.927 h0.5 r90
D2: Assembly Top-GM13 "A" at 22.581,48.692 h0.5 r90; Assembly Top-GM13 "K" at 22.657,50.927 h0.5 r90
D3: Assembly Top-GM13 "K" at 5.563,40.894 h0.5; Assembly Top-GM13 "A" at 8.458,40.869 h0.5
D3: Assembly Top-GM13 "A" at 8.458,40.869 h0.5; Assembly Top-GM13 "K" at 5.563,40.894 h0.5
J1: Assembly Bot-GM14 "1" at 2.946,50.089 h0.5; Assembly Bot-GM14 "20" at 3.023,1.067 h0.5
J2: Assembly Bot-GM14 "1" at 24.206,50.063 h0.5; Assembly Bot-GM14 "20" at 24.663,1.092 h0.5
J3: Assembly Bot-GM14 "40" at 1.499,-0.279 h0.5; Assembly Bot-GM14 "1" at 0.229,50.063 h0.5
J4: Assembly Bot-GM14 "40" at 26.543,-0.203 h0.5; Assembly Bot-GM14 "1" at 26.975,50.038 h0.5
J9: Assembly Top-GM13 "6" at 4.75,50.241 h0.5; Assembly Top-GM13 "1" at 21.031,50.216 h0.5
J10: Assembly Top-GM13 "1" at 21.158,36.957 h0.5; Assembly Top-GM13 "6" at 4.851,36.982 h0.5
J11: Assembly Top-GM13 "5" at 5.969,46.888 h0.5; Assembly Top-GM13 "6" at 5.893,42.85 h0.5; Assembly Top-GM13 "2" at 12.522,42.774 h0.5; Assembly Top-GM13 "1" at 12.776,46.863 h0.5
Serial: Assembly Bot-GM14 "SerialNr" at 16.52,24.87 h0.8 r270